# Altium PCB SJ2096POE.PcbDoc (part 3 of 5)
Units mm, origin at the board's own origin, x right, y up, seen from the top; angles counter-clockwise.
Board outline 60 x 60 mm, 4 copper layers (Top Layer, Layer 2, Layer 3, Bottom Layer), stack 1.578 mm thick; 235 components, 211 nets, 948 pads, 686 vias.
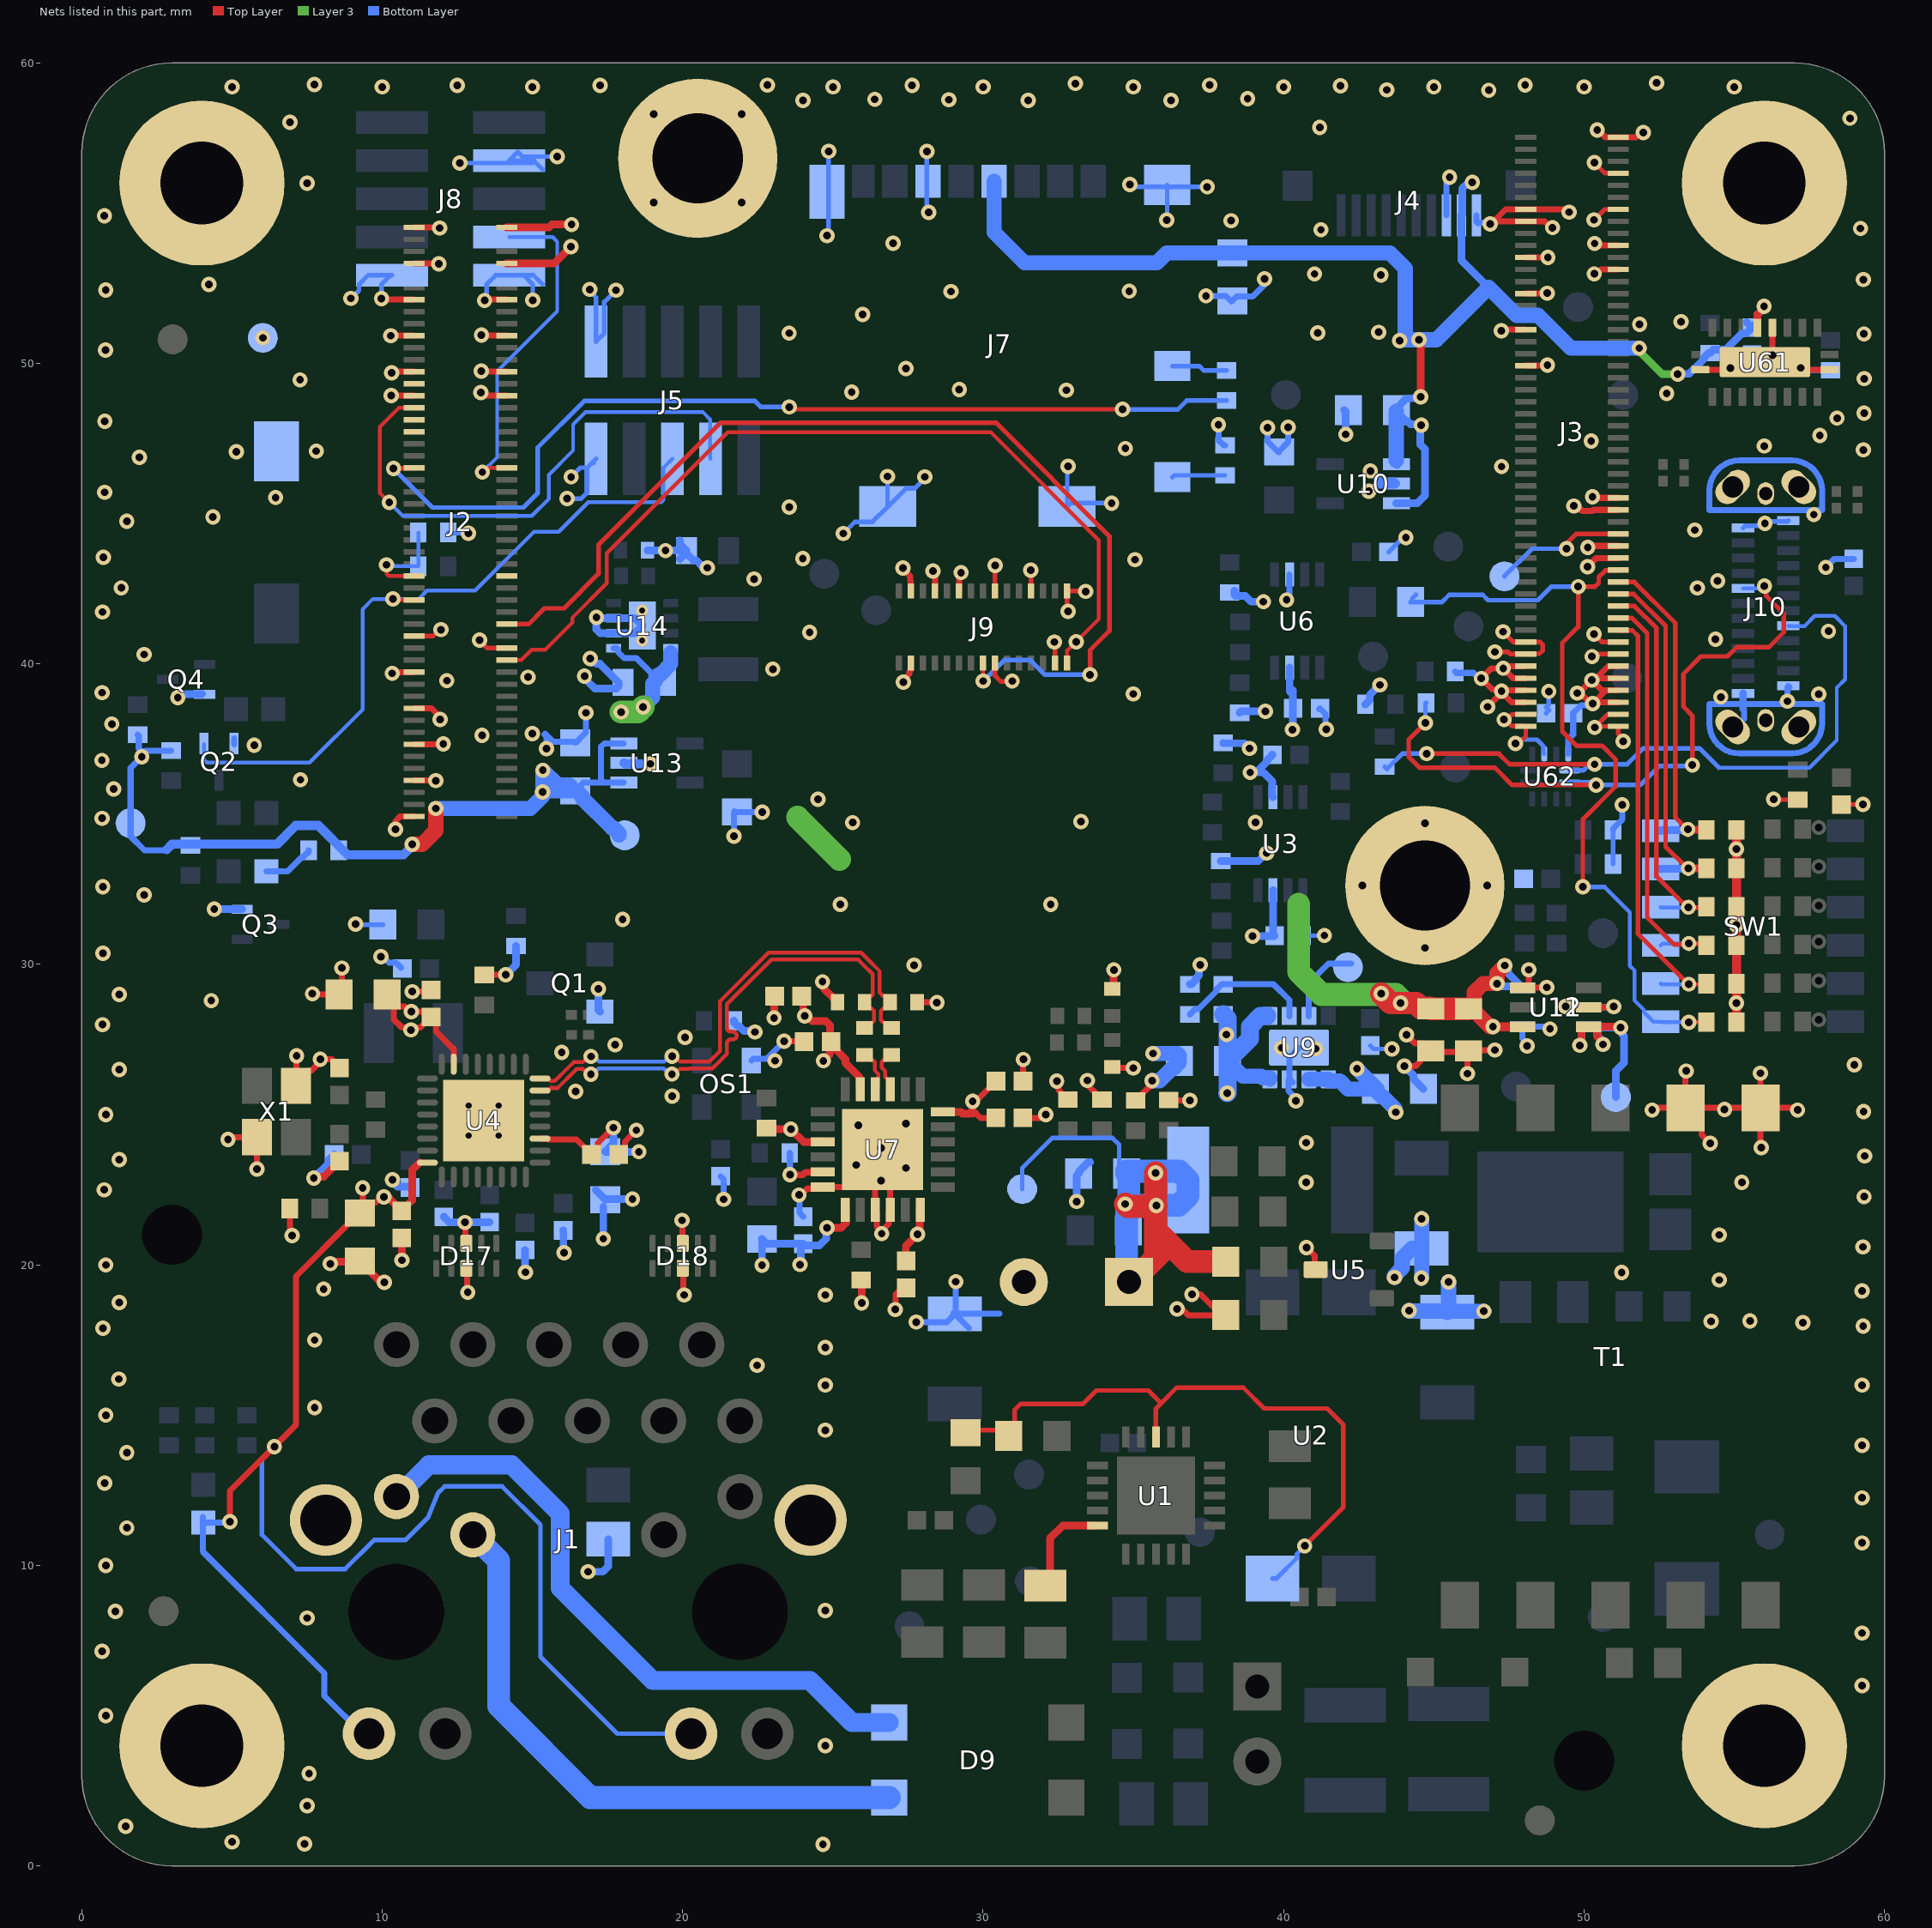
[diagram p5: the nets of this part, all layers, seen from the top]

## Via types
v1: diameter 0.508, hole 0.254, Top Layer to Bottom Layer, tented both sides, 674 vias
v2: diameter 0.406, hole 0.203, Top Layer to Bottom Layer, 10 vias
v3: diameter 0.508, hole 0.254, Top Layer to Bottom Layer, 2 vias

## Nets (pads, with @x,y where several pads share a name; then routed paths per layer and width w, separated by ;. In a path a pad name is that pad's centre, name@x,y a point inside that pad or via, vN(x,y) a via of type N, cw(c..) or ccw(c..) an arc to the next point about the centre after c; other vN are vias at no path point) (continued)
3V3: C19.2 C21.2 C27.1 C28.1 C29.1 C30.1 C31.1 C32.2 C34.2 C38.2 C39.2 C40.2 C41.2 C53.2 C55.2 C57.1 C59.2 C74.2 D16.2 FB1.2 J1.15 J1.17 J4.9 J7.4 R25.1 R26.1 R28.1 R29.1 R30.2 R35.1 R37.1 R38.1 R39.1 R46.1 R49.1 R68.1 R186.2 U3.7 U4.11 U4.23 U4.32 U6.7 U7.1 U7.6 U7.12 U7.17 U7.21 U9.4 U9.5 U10.1 U10.3 U61.6 | length 152.8
  Top Layer w0.127: U4.32@11.251,23.403 U4.32@11.501,23.403
  Top Layer w0.2: v1(4.928,11.457) 4.928,12.478 7.125,14.675 7.125,19.625 8.85,21.35 8.85,21.375 C39.2@9.2,21.725 ; v1(9.35,22.561) 9.35,22.025 9.262,21.937 9.238,21.927 9.146,21.802 9.088,21.725 C39.2@9.2,21.725 ; v1(10.054,22.262) 9.97,22.262 9.783,22.075 C39.2@9.611,22.075 ; v1(10.959,27.82) v1@10.959,27.833 ; U4.23@12.376,26.678 12.376,27.209 12.346,27.209 11.786,27.768 11.786,28.093 C34.2@11.626,28.253 ; R29.1@13.397,29.653 v1(14.114,29.653) ; U4.11@15.251,24.203 15.501,24.203 15.53,24.175 16.468,24.175 C40.2@16.968,23.675 17.178,23.885 17.178,24.056 v1(17.691,24.568) ; U7.17@25.855,25.89 25.882,25.863 U7.17@25.905,25.84 ; 29.651,25.153 29.91,24.894 C27.1@30.421,24.894 ; v1(29.651,25.448) 29.71,25.507 29.816,25.507 C30.1@30.429,26.119 ; v1(32.451,26.12) 32.51,26.061 32.51,25.811 32.594,25.728 32.594,25.678 32.769,25.503 R39.1@32.819,25.503 ; R38.1@36.177,25.491 36.187,25.481 36.869,25.481 v1(36.879,25.471) ; C39.2@9.2,21.725 C39.2@9.25,21.725 ; C39.2@9.25,21.725 9.6,22.075 C39.2@9.611,22.075 ; C39.2@9.25,21.725 9.261,21.725 C39.2@9.611,22.075 ; C21.2@10.39,28.729 10.39,28.166 10.649,27.907 10.884,27.907 v1@10.959,27.833 ; C21.2@10.39,28.729 10.516,28.603 10.756,28.603 10.925,28.433 v1(10.967,28.433) 11.446,28.433 C34.2@11.626,28.253 ; C21.2@10.39,28.729 10.166,28.953 C21.2@10.166,29.003 10.39,28.779 C21.2@10.39,28.729 ; v1@10.959,27.833 10.959,27.864 10.996,27.901 11.274,27.901 C34.2@11.626,28.253
  Top Layer w0.254: v1(10.054,22.262) 10.102,22.214 10.236,22.214 C41.2@10.65,21.8 10.997,22.147 10.997,23.149 U4.32@11.251,23.403 ; R37.1@22.791,24.552 22.828,24.515 v1(23.599,24.515) ; v1@23.698,24.512 23.694,24.515 v1(23.599,24.515) ; C28.1@23.962,28.94 24.012,28.891 24.012,28.407 v1@24.129,28.289 ; v1(24.06,28.289) v1@24.129,28.289 ; U7.21@24.632,24.113 U7.21@24.655,24.09 24.024,24.09 v1(23.599,24.515) ; v1(24.681,26.793) 24.681,26.797 24.887,27.003 24.887,27.378 C32.2@24.937,27.428 ; v1@24.802,21.225 v1(24.808,21.23) 25.266,21.23 25.427,21.391 25.427,21.818 U7.1@25.405,21.84 ; U7.17@25.882,25.863 25.882,26.258 25.412,26.728 25.412,26.853 25.12,27.145 25.12,27.245 C32.2@24.937,27.428 ; R35.1@25.937,19.503 25.955,19.484 v1(25.955,18.74) ; C31.1@27.385,20.18 27.424,20.219 27.424,20.633 v1(27.815,21.024) 27.815,21.093 27.888,21.166 27.888,21.823 U7.6@27.905,21.84 ; U7.12@28.655,25.09 29.261,25.09 29.32,25.032 29.53,25.032 29.651,25.153 ; 29.651,25.032 29.651,25.153 ; v1(29.651,25.448) 29.651,25.153 ; v1(44.504,50.785) 44.56,50.729 v1(44.56,48.887) ; U61.6@55.769,51.192 55.769,51.625 55.992,51.848 v1(55.992,51.901) ; v1@24.129,28.289 24.3,28.118 24.758,28.118 24.906,27.97 24.906,27.458 C32.2@24.937,27.428
  Layer 3 w0.254: v1@51.836,50.408 52.603,49.641 v1(53.119,49.641)
  Bottom Layer w0.152: v1@6.477,14.021 v1(6.411,13.955) 5.994,13.538 5.994,11.024 7.137,9.881 8.763,9.881 9.728,10.846 10.77,10.846 11.522,11.599 11.859,12.411 12.081,12.633 13.986,12.633 15.265,11.354 15.265,6.96 17.825,4.4 J1.17@20.28,4.4
  Bottom Layer w0.2: D16.2@4.025,11.611 4.025,10.464 8.075,6.414 8.075,5.66 9.335,4.4 J1.15@9.56,4.4 ; D16.2@4.049,11.432 4.903,11.432 v1(4.928,11.457)
  Bottom Layer w0.254: v1(14.114,29.653) 14.454,29.993 R28.1@14.454,30.616 ; v1(17.691,24.568) 17.691,24.041 C38.2@17.425,23.775 17.434,23.766 v1(18.544,23.766) ; R30.2@21.706,28.125 21.706,28.075 21.854,27.927 21.904,27.927 22.047,27.784 22.37,27.784 v1(22.403,27.751) ; FB1.2@22.637,20.863 FB1.2@22.641,20.859 ; v1(22.641,19.991) FB1.2@22.641,20.859 ; v1(23.907,20.012) 23.938,20.043 23.938,20.629 C29.1@23.962,20.653 ; v1(24.808,21.23) 24.774,21.197 24.774,20.873 24.554,20.653 C29.1@23.962,20.653 ; J7.4@30.362,56.062 30.392,56.033 30.392,55.108 ; R25.1@37.912,33.441 39.159,33.441 39.422,33.704 v1(39.435,33.704) ; R26.1@37.989,37.371 38,37.36 38.698,37.36 v1(38.869,37.189) ; R46.1@38.366,42.441 38.366,42.298 38.397,42.267 38.722,42.267 38.917,42.072 v1(39.327,42.072) ; R49.1@38.535,38.374 38.587,38.426 v1(39.395,38.426) ; v1(38.962,30.943) 39.685,30.943 C19.2@39.7,30.958 39.65,31.008 U3.7@39.65,32.466 ; U6.7@40.2,39.878 40.2,39.093 40.312,38.98 ; v1(40.298,37.814) 40.305,37.821 40.305,38.518 C53.2@40.312,38.525 40.312,38.98 ; 40.312,39.125 40.312,38.98 ; U10.3@43.75,45.35 44.45,45.35 44.7,45.6 44.7,47.15 44.55,47.3 44.55,47.911 v1(44.581,47.943) 44.549,47.976 44.224,47.976 44.123,48.077 44.073,48.077 43.75,48.4 C59.2@43.75,48.45 43.75,48.5 44.073,48.823 44.123,48.823 44.138,48.838 44.512,48.838 v1(44.56,48.887) ; U10.1@43.75,46.65 U10.1@43.778,46.622 ; v1@43.86,50.785 v1(44.504,50.785) ; v1(46.28,56.026) 46.149,56.026 45.942,55.819 45.942,54.956 J4.9@45.916,54.93 45.916,53.434 46.825,52.525 ; v1@51.835,50.507 v1(51.836,50.508) ; v1@53.125,49.65 53.497,49.65 53.991,50.144 53.991,50.194 54.139,50.342 R186.2@54.189,50.342 54.303,50.456 54.706,50.456 55.259,51.009 55.407,51.009 C74.2@55.59,51.192 ; C74.2@55.407,51.375 C74.2@55.59,51.192 ; v1(55.992,51.901) 55.992,51.844 55.773,51.625 55.773,51.375 C74.2@55.59,51.192 ; FB1.2@22.641,20.859 22.797,20.703 C29.1@24.012,20.703 C29.1@23.962,20.653
  Bottom Layer w0.5: C57.1@38.133,26.792 38.133,26.742 38.333,26.542 38.383,26.542 38.643,26.282 39.255,26.282 39.307,26.231 39.539,26.231 U9.4@39.539,26.181
  Bottom Layer w0.508: J7.4@30.362,56.062 30.362,55.108 30.362,54.362 31.375,53.35 35.785,53.35 36.11,53.675 C55.2@38.284,53.675 ; C55.2@38.289,53.68 C55.2@38.284,53.675 ; U10.1@43.75,46.772 C59.2@43.75,48.4 ; v1@51.835,50.507 51.047,50.507 49.558,50.507 48.464,51.6 47.75,51.6 46.825,52.525 45.085,50.785 v1(44.504,50.785) 44.05,50.785 44.05,53.159 43.534,53.675 C55.2@38.284,53.675
  Bottom Layer w0.6: R68.1@37.989,28.338 38.014,28.313 38.133,28.194 C57.1@38.133,26.842 ; v1(38.12,25.717) 38.133,25.73 C57.1@38.133,26.742 ; C57.1@38.133,26.792 C57.1@38.133,26.842 ; U9.5@39.448,28.281 39.229,28.281 38.877,27.929 38.877,27.536 38.333,26.992 38.283,26.992 C57.1@38.133,26.842
  other v1: 38.099,27.666 43.86,50.758
3V3_PG: TP14.1 U9.7 | length 2.8
  Bottom Layer w0.203: U9.7@40.839,28.281 40.839,29.375 41.494,30.029 TP14.1@42.244,30.029
5V_IN: C10.2 C13.2 C17.2 C35.2 C56.2 C76.2 J3.5 J3.6 J3.7 J3.8 J3.9 J3.10 J3.11 J3.12 R53.2 R54.2 R55.2 R56.2 R213.2 R214.2 TP4.1 TP15.1 U9.1 U9.2 U11.6 U12.6 U13.1 U13.3 U14.1 U14.8 U62.12 | length 72.2
  Top Layer w0.203: v1(46.792,38.574) 47.252,39.033 v1@47.252,39.063 ; J3.5@48.06,38.725 47.59,38.725 v1@47.252,39.063 ; J3.7@48.06,39.125 47.283,39.125 v1(47.252,39.094) ; J3.9@48.06,39.525 47.64,39.525 v1(47.31,39.855) ; J3.11@48.06,39.925 47.462,39.925 47.393,39.855 v1(47.31,39.855) ; v1(49.769,39.031) v1@49.829,39.031 ; J3.6@51.14,38.725 v1@50.333,38.725 ; J3.8@51.14,39.125 50.733,39.125 ; J3.10@51.14,39.525 v1@50.405,39.525 ; J3.12@51.14,39.925 50.805,39.925 v1@50.405,39.525 ; v1@47.252,39.063 v1(47.252,39.094) ; v1(47.252,39.094) 47.194,39.152 46.945,39.152 v1(46.58,39.517) 46.919,39.855 v1(47.31,39.855) ; v1@49.829,39.031 49.852,39.031 49.988,38.895 50.017,38.895 50.231,38.681 v1(50.289,38.681) v1@50.333,38.725 ; v1@49.829,39.031 v1(50.259,39.461) ; v1(50.259,39.461) 50.341,39.461 v1@50.405,39.525 ; v1(50.259,39.461) 50.595,39.125 50.733,39.125 ; v1@50.333,38.725 50.733,39.125
  Top Layer w0.3: C17.2@46.15,28.525 46.294,28.381 C17.2@46.415,28.381 ; v1@46.968,27.925 U11.6@47.95,27.925
  Top Layer w0.508: v1(11,34) 11.331,34 11.783,34.452 v1(11.783,35.191) ; C17.2@46.15,28.525 46.25,28.525 46.346,28.621 46.346,29.07 46.638,29.362 v1(47.106,29.362) 47.106,29.708 v1(47.363,29.965) ; C17.2@46.415,28.381 46.868,27.928 v1(46.968,27.928)
  Top Layer w0.75: v1(43.251,29.029) 43.563,28.717 v1(43.893,28.717) 44.403,28.717 44.57,28.55 44.875,28.55 C35.2@44.9,28.525 C17.2@46.15,28.525
  Layer 3 w0.762: v1(17.951,38.399) 18.515,38.399 v1(18.684,38.567) ; 23.821,34.895 25.217,33.5 ; 40.5,32 40.5,29.76 41.26,29 43.734,29 v1@44.011,28.723
  Bottom Layer w0.203: R56.2@1.864,37.645 1.898,37.611 1.898,37.184 2.043,37.039 2.119,37.115 R53.2@2.973,37.115 ; v1(1.997,36.911) 1.625,36.539 TP4.1@1.625,34.7 1.625,34.263 2.094,33.794 2.81,33.794 ; C10.2@16.42,35.774 16.703,36.057 17.372,36.057 ; U14.1@17.701,40.525 17.811,40.525 17.849,40.487 17.849,40.394 18.052,40.192 18.459,40.192 18.852,39.798 19.101,39.55 C13.2@19.101,39.45 ; U13.1@18.042,36.057 17.372,36.057 ; U13.3@18.042,37.357 17.394,37.357 17.275,37.238 17.275,36.154 17.372,36.057 ; R214.2@45.709,39.749 45.75,39.708 45.75,39.7 46.315,39.7 46.498,39.517 v1(46.58,39.517) ; U62.12@49.471,37.009 49.471,37.492 49.637,37.658 C76.2@49.637,38.361 49.898,38.623 50.23,38.623 v1(50.289,38.681)
  Bottom Layer w0.254: R213.2@42.723,38.656 42.871,38.804 42.871,38.968 v1(43.203,39.301) ; v1(47.106,29.362) 47.174,29.362 47.263,29.273 U12.6@47.902,29.273 ; v1(47.363,29.965) 47.363,29.896 47.482,29.777 47.482,29.694 U12.6@47.835,29.341
  Bottom Layer w0.305: 2.823,33.821 3.001,34 5.75,34 6.5,34 7.126,34.626 7.874,34.626 8.849,33.651 10.706,33.651 11,33.945 v1(11,34)
  Bottom Layer w0.5: v1(17.951,38.399) 18.513,38.399 18.682,38.567 v1(18.684,38.567) 19.001,38.884 19.001,39.35 C13.2@19.101,39.45 ; C13.2@19.101,39.55 19.201,39.65 19.251,39.65 19.601,40 19.601,40.369 ; U9.2@40.839,26.181 U9.1@41.489,26.181 41.489,26.131 41.869,26.131 42.143,25.857 C56.2@43.046,25.857 ; v1(42.443,26.53) 42.443,26.521 43.107,25.857 C56.2@43.046,25.857 ; v1@43.709,25.194 43.3,25.604 43.25,25.604 43.05,25.804 C56.2@43.05,25.854 C56.2@43.046,25.857
  Bottom Layer w0.508: v1(11.783,35.191) 14.932,35.191 15.347,35.605 v1@15.347,35.748 ; v1(15.335,35.736) v1@15.347,35.748 ; TP15.1@17.88,34.313 17.88,34.354 17.691,34.543 17.65,34.543 16.666,35.528 16.666,35.578 16.47,35.774 C10.2@16.42,35.774 ; v1@15.347,35.748 15.373,35.774 C10.2@16.42,35.774 ; v1@15.347,35.748 v1(15.347,36.463) 15.84,35.97 16.224,35.97 C10.2@16.42,35.774
  other v1: 43.736,25.08
5V_LED: D6.2 R55.1 | length 1.7
  Bottom Layer w0.203: D6.2@6.142,33.097 6.849,33.097 7.326,33.574 7.376,33.574 7.549,33.747 R55.1@7.549,33.797
5V_PoE: C7.1 C9.2 C26.2 L1.2 R14.2 R24.2 TP3.1 TP6.1 U11.1 U12.3 | length 34.8
  Top Layer w0.254: v1(49.859,27.307) 49.859,27.376 49.908,27.425 49.908,27.877 49.956,27.925 U11.1@50.15,27.925 U11.1@50.4,27.925 ; v1(50.628,27.336) 50.628,27.405 50.448,27.585 50.448,27.877 U11.1@50.4,27.925 ; v1(51.22,27.896) 51.19,27.925 U11.1@50.4,27.925
  Top Layer w0.762: C7.1@34.525,19.025 35.739,20.24 ; v1(34.729,22.025) 34.804,21.95 v1@35.739,21.95 ; v1(35.739,23.059) v1@35.739,21.974 ; R14.2@37.826,20.102 37.819,20.109 36.791,20.109 36.265,20.635 ; 35.739,20.24 36.134,20.635 36.265,20.635 ; 35.739,20.24 35.739,21.161 ; 35.739,21.161 36.265,20.635 ; 35.739,21.161 v1@35.739,21.95 ; v1@35.739,21.95 35.763,21.95 v1@35.739,21.974 ; v1@35.739,21.95 v1@35.739,21.974
  Bottom Layer w0.152: TP6.1@31.3,22.525 31.3,23.226 32.299,24.225 34.3,24.225 34.525,24 34.525,23.302 C9.2@34.78,23.047
  Bottom Layer w0.254: C7.1@34.772,19.192 C7.1@35.183,19.603 ; v1(49.859,27.307) 49.859,27.376 49.908,27.425 49.908,27.877 49.956,27.925 U12.3@50.15,27.925 ; v1(50.628,27.336) 50.579,27.385 50.579,27.496 50.448,27.627 50.448,27.877 U12.3@50.429,27.896 ; TP3.1@51.055,25.587 51.055,26.455 51.325,26.725 51.325,27.62 51.268,27.676 51.268,27.847 v1(51.22,27.896) U12.3@50.429,27.896 ; U12.3@50.15,27.925 50.4,27.925 U12.3@50.429,27.896 ; U12.3@50.15,27.925 50.179,27.896 U12.3@50.429,27.896
  Bottom Layer w0.508: v1(44.175,18.482) 44.193,18.464 C26.2@45.489,18.464 ; C26.2@45.45,18.425 C26.2@45.489,18.464 ; v1(45.493,19.438) 45.493,18.468 C26.2@45.489,18.464 ; v1(46.665,18.46) 45.494,18.46 C26.2@45.489,18.464
  Bottom Layer w0.762: C7.1@34.772,19.192 34.772,21.983 36.501,21.983 36.82,22.302 L1.2@36.82,22.825 36.525,23.12 C9.2@34.772,23.12 ; C9.2@34.78,23.047 34.849,22.978 34.849,22.351
  other v1: 35.763,21.979
2485_PGOOD: J2.37 J5.5 Q2.1 | length 23.8
  Top Layer w0.127: v1@10.211,42.161 v1(10.352,42.161) ; v1@10.352,42.125 J2.37@11.06,42.125
  Bottom Layer w0.127: Q2.1@4.073,37.325 4.073,36.81 4.168,36.715 7.578,36.715 9.345,38.482 9.345,41.819 9.688,42.161 v1(10.352,42.161) 11.211,42.161 11.492,42.442 13.092,42.442 15.05,44.4 15.875,44.4 16.861,45.386 19.287,45.386 19.362,45.46 19.362,46.532 J5.5@19.655,46.825
2485_WAKEUP: J2.41 R1.2 R62.1 | length 3.4
  Top Layer w0.127: v1(10.145,43.299) 10.145,43.003 10.223,42.925 J2.41@11.06,42.925
  Bottom Layer w0.127: v1@10.145,43.25 R1.2@11.2,43.25 R62.1@11.2,44.375
AUX_IO_IRQ: J2.69 J5.3 | length 18.7
  Top Layer w0.127: v1(10.233,45.375) 9.925,45.683 9.925,47.895 10.555,48.525 J2.69@11.06,48.525
  Bottom Layer w0.127: v1(10.233,45.375) 10.683,44.925 14.975,44.925 15.55,45.5 15.55,46.3 16.352,47.102 16.352,47.968 16.759,48.375 20.675,48.375 20.909,48.141 20.909,46.841 J5.3@20.925,46.825
BOOT0: J3.26 pad.5@53.454,34.494 R23.1 SW1.6 | length 11
  Top Layer w0.127: pad.5@53.437,34.492 pad.5@53.445,34.484
  Top Layer w0.152: J3.26@51.14,42.725 51.675,42.725 53.035,41.365 53.035,35.221 53.035,34.895 pad.5@53.437,34.492
  Top Layer w0.254: pad.5@53.445,34.484 R23.1@54.064,34.484
  Bottom Layer w0.254: SW1.6@52.552,34.442 52.577,34.467 53.412,34.467 pad.5@53.437,34.492
BOOT1: J3.24 pad.5@53.472,33.195 R22.1 SW1.5 | length 11.9
  Top Layer w0.152: J3.24@51.14,42.325 51.65,42.325 52.714,41.261 52.714,34.143 52.714,33.915 pad.5@53.437,33.192
  Top Layer w0.254: pad.5@53.44,33.194 R22.1@54.069,33.194
  Bottom Layer w0.254: SW1.5@52.552,33.172 52.562,33.182 53.427,33.182 pad.5@53.437,33.192
BOOT2: J3.22 pad.5@53.474,31.904 R21.1 SW1.4 | length 12.8
  Top Layer w0.152: J3.22@51.14,41.925 51.675,41.925 52.408,41.192 52.408,33.118 52.408,32.921 53.437,31.892 R21.1@54.047,31.892
  Bottom Layer w0.127: SW1.4@52.552,31.902 52.562,31.892 pad.5@53.437,31.892
BOOT3: J3.20 pad.5@53.489,30.696 R20.1 SW1.3 | length 13.8
  Top Layer w0.127: pad.5@53.407,30.662 pad.5@53.437,30.692
  Top Layer w0.152: J3.20@51.14,41.525 51.6,41.525 52.101,41.023 52.101,31.563 53.002,30.662 pad.5@53.407,30.662 ; pad.5@53.437,30.692 R20.1@54.017,30.692
  Bottom Layer w0.127: SW1.3@52.552,30.632 52.612,30.692 pad.5@53.437,30.692
BOOT4: J3.18 pad.5@53.486,29.342 R19.1 SW1.2 | length 14.5
  Top Layer w0.127: J3.18@51.14,41.125 J3.18@51.151,41.114 ; pad.5@53.527,29.398 53.583,29.342 R19.1@54.057,29.342
  Top Layer w0.152: J3.18@51.151,41.114 51.608,41.114 51.798,40.925 51.798,31.016 pad.5@53.472,29.342
  Bottom Layer w0.127: SW1.2@52.552,29.362 52.572,29.342 pad.5@53.472,29.342
BRIDGE_REFCLK1_N: R33.2 U7.15 | length 1.5
  Top Layer w0.13: U7.15@26.905,25.84 26.905,26.09 26.737,26.259 26.737,26.455 26.621,26.571 26.621,26.754 26.697,26.83 26.795,26.83 R33.2@26.955,26.99
BRIDGE_REFCLK1_P: R65.2 U7.16 | length 1.4
  Top Layer w0.13: R65.2@26.055,26.99 26.215,26.83 26.313,26.83 26.389,26.754 26.389,26.475 26.505,26.359 26.505,26.252 26.49,26.236 26.49,25.926 U7.16@26.405,25.84
BRIDGE_REFCLK_N: R33.1 R43.2 U4.16 | length 17.1
  Top Layer w0.13: U4.16@15.251,26.203 15.52,26.203 15.605,26.119 15.742,26.119 16.167,26.544 16.379,26.756 16.679,26.756 16.862,26.939 v1(16.947,26.939) ; v1(19.645,26.947) 19.725,26.947 19.911,26.761 20.123,26.761 20.126,26.764 20.889,26.764 21.239,27.114 21.239,28.772 22.857,30.39 25.937,30.39 26.164,30.164 26.558,29.769 26.558,29.065 26.672,28.951 26.745,28.951 26.905,28.79 R43.2@26.905,28.74 26.905,28.69 26.745,28.53 26.672,28.53 26.596,28.454 26.596,28.152 26.697,28.051 26.795,28.051 R33.1@26.955,27.89
  Bottom Layer w0.13: v1(16.947,26.939) 17.041,26.939 17.212,26.767 19.38,26.767 19.56,26.947 v1(19.645,26.947)
BRIDGE_REFCLK_P: R42.2 R65.1 U4.15 | length 17.1
  Top Layer w0.13: U4.15@15.251,25.803 15.52,25.803 15.605,25.888 15.838,25.888 16.398,26.448 16.475,26.525 16.678,26.525 16.861,26.342 v1(16.943,26.342) ; v1(19.641,26.35) 19.727,26.35 19.906,26.53 20.219,26.53 20.222,26.533 20.985,26.533 21.239,26.786 21.374,26.922 21.471,27.019 21.471,27.373 cw(c21.6,27.373) 21.6,27.503 21.669,27.503 ccw(c21.669,27.631) 21.797,27.631 ccw(c21.669,27.631) 21.669,27.76 21.6,27.76 cw(c21.6,27.889) 21.471,27.889 21.471,28.469 21.471,28.677 22.953,30.159 25.841,30.159 26,30 26.326,29.674 26.326,28.989 26.288,28.951 26.215,28.951 26.055,28.79 R42.2@26.055,28.74 26.055,28.69 26.215,28.53 26.288,28.53 26.364,28.454 26.364,28.127 26.288,28.051 26.215,28.051 R65.1@26.055,27.89